# Altium PCB Light_Board.PcbDoc (part 1 of 2)
Units mm, origin at the board's own origin, x right, y up, seen from the top; angles counter-clockwise.
Board outline 260 x 260 mm, 2 copper layers (Top Layer, Bottom Side); 167 components, 149 nets, 370 pads, 0 vias.
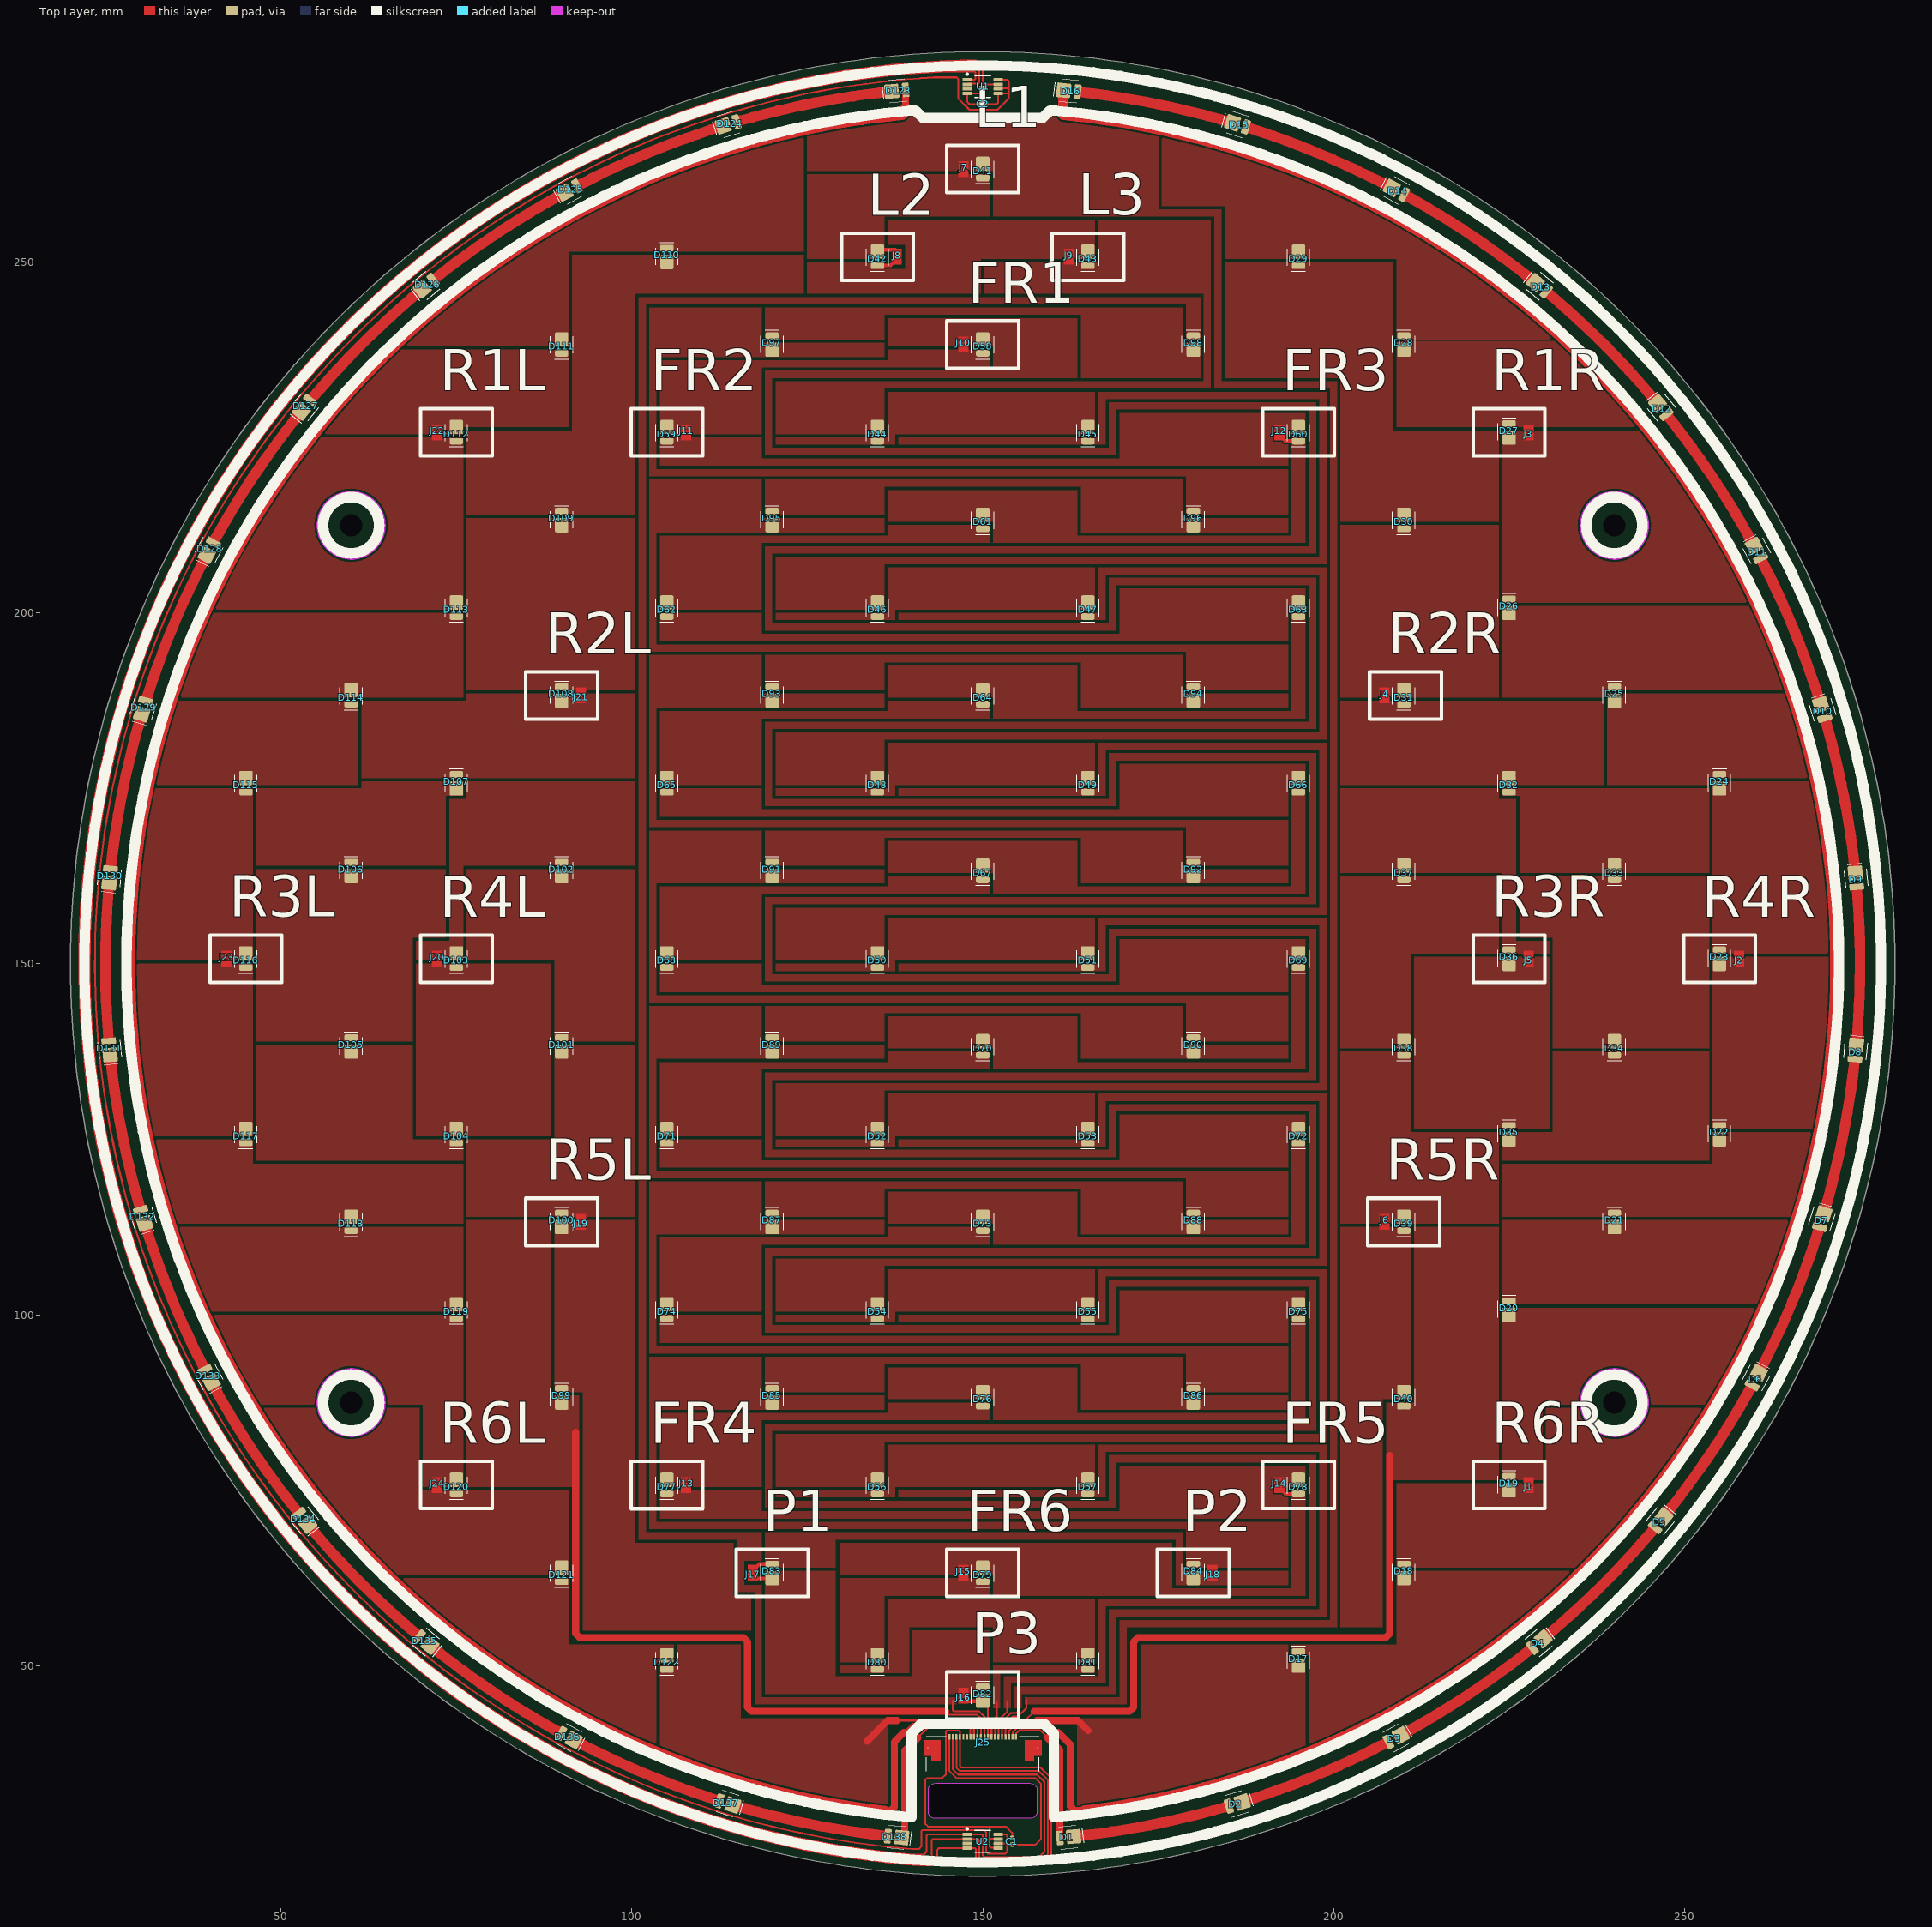
[diagram p0: Top Layer view]
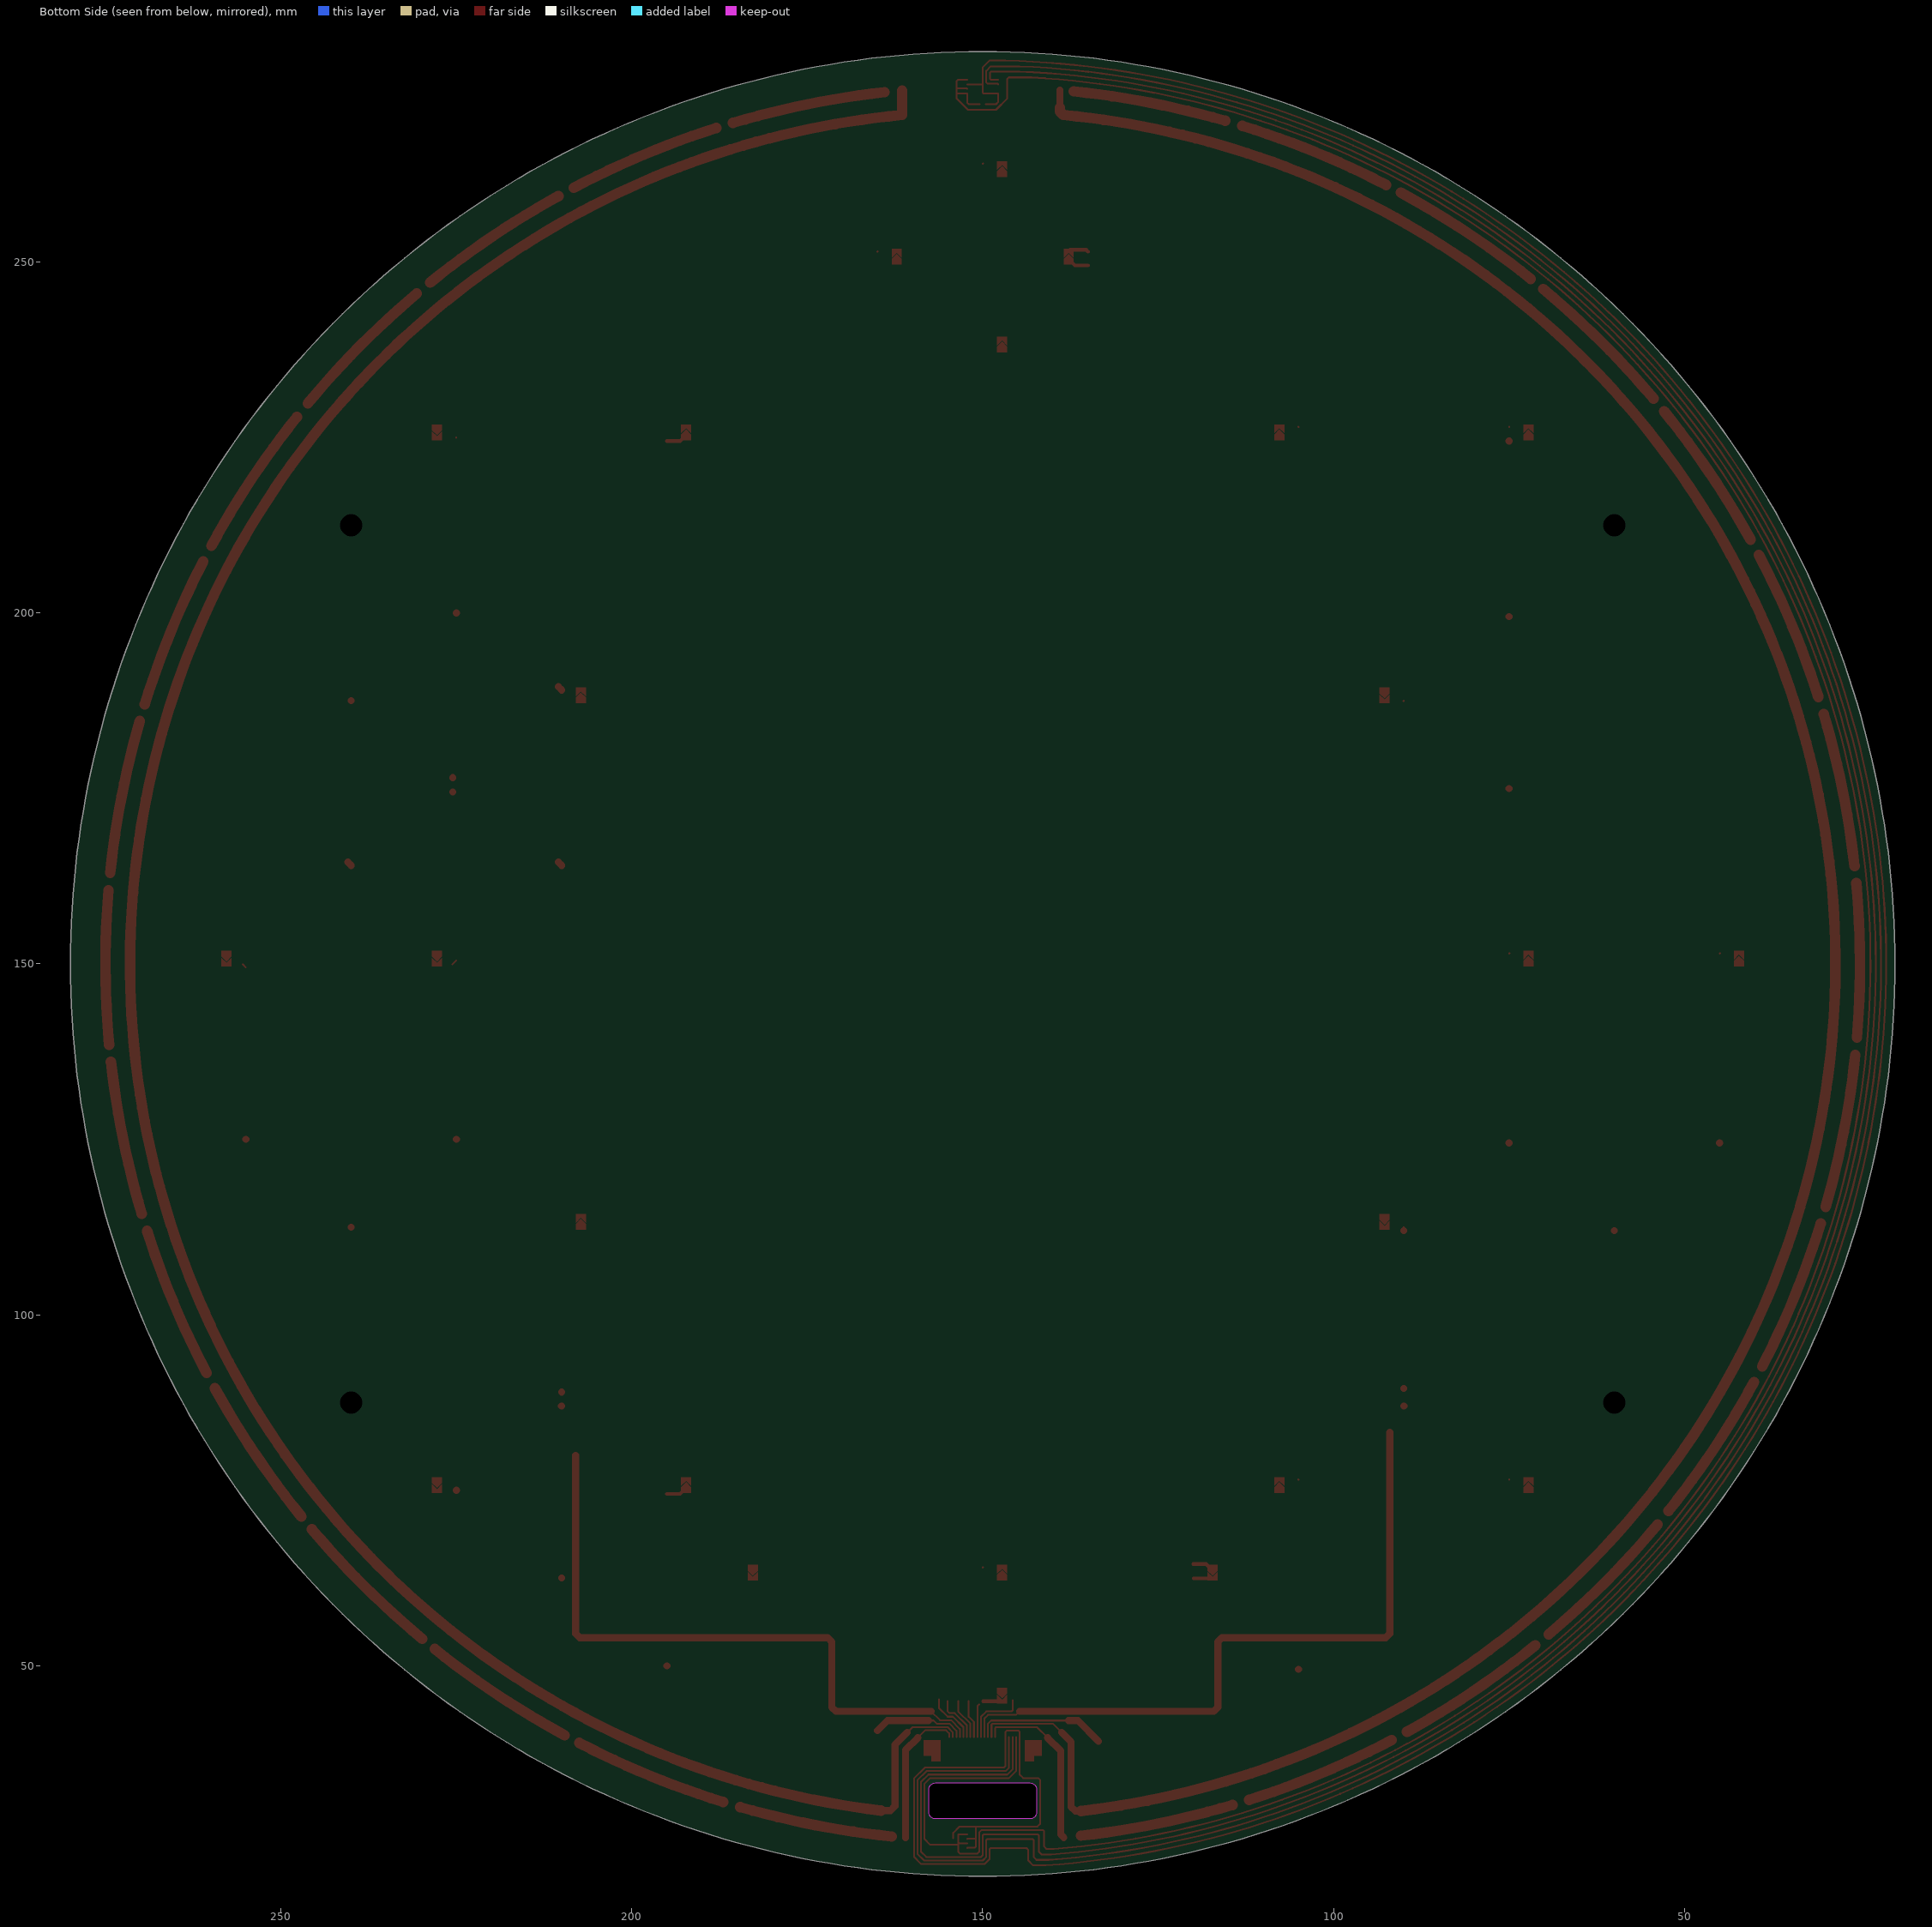
[diagram p1: Bottom Side view, seen from below]
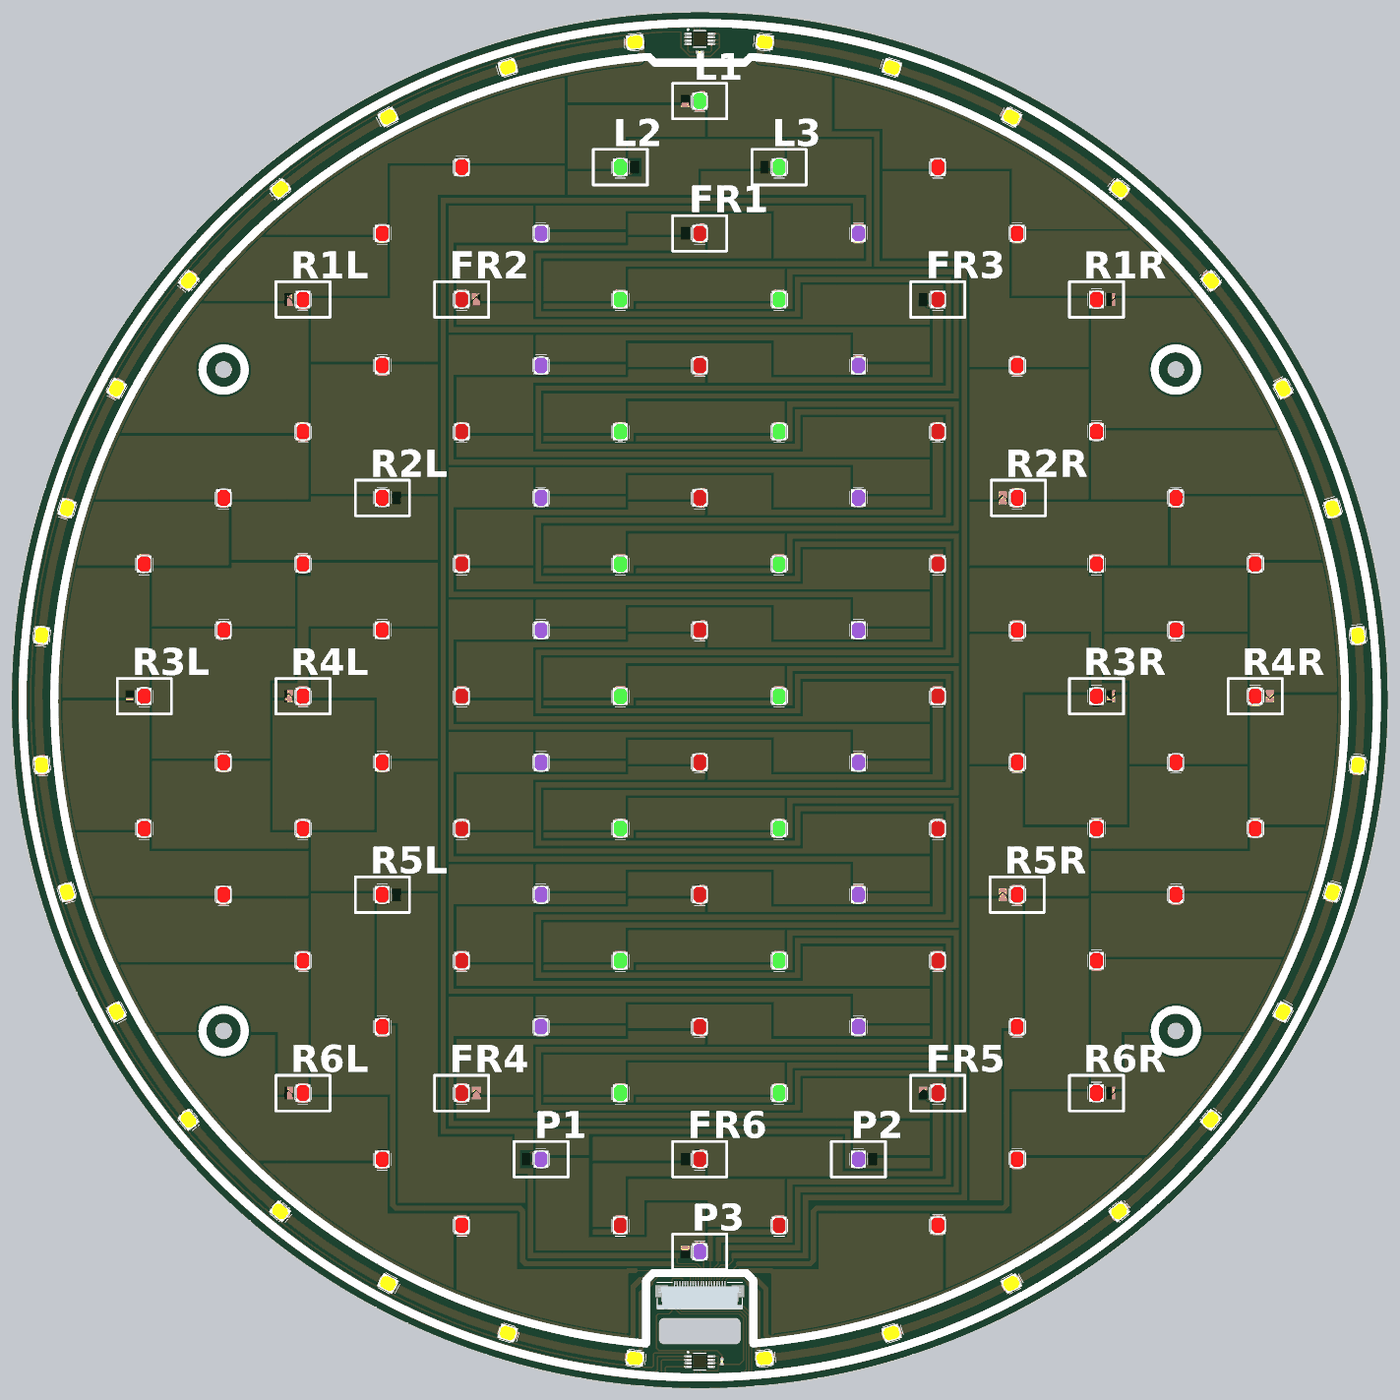
[diagram p3: 3D render of the assembled board from above, using the file's embedded part models]

## Layer stack, top to bottom
Top Solder: solder mask 0.0102, Solder Resist, Dk 3.5
Top Layer: signal copper 0.0356
Dielectric 1: dielectric 0.32, FR-4, Dk 4.8
Bottom Side: signal copper (thickness not stored)
Board Layer Stack Bottom Solder: solder mask 1.6, SM-001, Dk 4

## Board outline
150,20 cw(c150,150) 20,150 cw(c150,150) 150,280 cw(c150,150) 280,150 cw(c150,150)
cut-out: 142.25,29.25 142.25,32.25 cw(c143.25,32.25) 143.25,33.25 156.75,33.25 cw(c156.75,32.25) 157.75,32.25 157.75,29.25 cw(c156.75,29.25) 156.75,28.25 143.25,28.25 cw(c143.25,29.25)

## Design rules (kind name [scope] priority, off if disabled: settings)
Clearance [All] p1: gap=0.254 ignorepadtopadclearanceinfootprint=FALSE except(0.1: Arc-SMDPad Track-SMDPad SMDPad-SMDPad; 0.2: Arc-Arc Arc-Track Track-Track)
DiffPairsRouting [All] p1: maxlimit=0.254 minlimit=0.254 mostfreqgap=0.254 toplayer_minwidth=0.381 toplayer_maxwidth=0.381 toplayer_prefwidth=0.381 bottomlayer_minwidth=0.381 bottomlayer_maxwidth=0.381 bottomlayer_prefwidth=0.381 substack1={E1A92806-E6FE-484D-BA34-A2E804143039} toplayer_{e1a92806-e6fe-484d-ba34-a2e804143039}_minwidth=0.381 toplayer_{e1a92806-e6fe-484d-ba34-a2e804143039}_maxwidth=0.381 toplayer_{e1a92806-e6fe-484d-ba34-a2e804143039}_prefwidth=0.381 bottomlayer_{e1a92806-e6fe-484d-ba34-a2e804143039}_minwidth=0.381 bottomlayer_{e1a92806-e6fe-484d-ba34-a2e804143039}_maxwidth=0.381 bottomlayer_{e1a92806-e6fe-484d-ba34-a2e804143039}_prefwidth=0.381 maxuncoupledlength=12.7
HoleSize [All] p1: absolutevalues=TRUE maxlimit=5 minlimit=0.025 maxpercent=80.000 minpercent=20.000
PlaneClearance [All] p1: clearance=4
PolygonConnect [All] p1: connectstyle=Direct reliefconductorwidth=0.254 reliefentries=4 polygonreliefangle="90 Angle" airgapwidth=0.254
RoutingVias [All] p1: holewidth=0.711 width=1.27 viastyle="Through Hole" minholewidth=0.711 minwidth=1.27 maxholewidth=0.711 maxwidth=1.27
SilkToSolderMaskClearance [IsPad] p1: minsilkscreentomaskgap=0.1 clearancetoexposedcopper=TRUE
SolderMaskExpansion [All] p1: expansion=0.11 istentingtop=FALSE
SupplyNets "Schematic Supply Nets_1" [InNet('3.3V')] p1: voltage=0.000
SupplyNets "Schematic Supply Nets" [InNet('GND')] p2: voltage=0.000
Width [All] p1: maxlimit=0.254 minlimit=0.254 preferedwidth=0.254 substack1={E1A92806-E6FE-484D-BA34-A2E804143039} toplayer_{e1a92806-e6fe-484d-ba34-a2e804143039}_minwidth=0.2 toplayer_{e1a92806-e6fe-484d-ba34-a2e804143039}_maxwidth=2 toplayer_{e1a92806-e6fe-484d-ba34-a2e804143039}_prefwidth=1 bottomlayer_{e1a92806-e6fe-484d-ba34-a2e804143039}_minwidth=0.2 bottomlayer_{e1a92806-e6fe-484d-ba34-a2e804143039}_maxwidth=1 bottomlayer_{e1a92806-e6fe-484d-ba34-a2e804143039}_prefwidth=1
26 further rules are at their usual default settings.

## Components (designator, comment, footprint, x,y, rotation, side; value= is the part's Value field where it differs from the comment)
C1 "100nF Cap" "0402 Capacitor" 154.2,25 r270 top value=100nF
C2 "100nF Cap" "0402 Capacitor" 150,272.5 r0 top value=100nF
D1 "GW JTLPS1.EM-KLLL-XX56-1-150-R33" "GW JTLPS1" 162.252,25.602 r185.62 top
D2 "GW JTLPS1.EM-KLLL-XX56-1-150-R33" "GW JTLPS1" 186.286,30.382 r196.88 top
D3 "GW JTLPS1.EM-KLLL-XX56-1-150-R33" "GW JTLPS1" 208.925,39.76 r208.12 top
D4 "GW JTLPS1.EM-KLLL-XX56-1-150-R33" "GW JTLPS1" 229.299,53.374 r219.38 top
D5 "GW JTLPS1.EM-KLLL-XX56-1-150-R33" "GW JTLPS1" 246.626,70.701 r230.62 top
D6 "GW JTLPS1.EM-KLLL-XX56-1-150-R33" "GW JTLPS1" 260.24,91.075 r241.88 top
D7 "GW JTLPS1.EM-KLLL-XX56-1-150-R33" "GW JTLPS1" 269.618,113.714 r253.12 top
D8 "GW JTLPS1.EM-KLLL-XX56-1-150-R33" "GW JTLPS1" 274.398,137.748 r264.38 top
D9 "GW JTLPS1.EM-KLLL-XX56-1-150-R33" "GW JTLPS1" 274.398,162.252 r275.62 top
D10 "GW JTLPS1.EM-KLLL-XX56-1-150-R33" "GW JTLPS1" 269.618,186.286 r286.88 top
D11 "GW JTLPS1.EM-KLLL-XX56-1-150-R33" "GW JTLPS1" 260.24,208.925 r298.12 top
D12 "GW JTLPS1.EM-KLLL-XX56-1-150-R33" "GW JTLPS1" 246.626,229.299 r309.38 top
D13 "GW JTLPS1.EM-KLLL-XX56-1-150-R33" "GW JTLPS1" 229.299,246.626 r320.62 top
D14 "GW JTLPS1.EM-KLLL-XX56-1-150-R33" "GW JTLPS1" 208.925,260.24 r331.88 top
D15 "GW JTLPS1.EM-KLLL-XX56-1-150-R33" "GW JTLPS1" 186.286,269.618 r343.12 top
D16 "GW JTLPS1.EM-KLLL-XX56-1-150-R33" "GW JTLPS1" 162.252,274.398 r354.38 top
D17 "LUXEON SunPlus 2835 Red" "LUXEON SunPlus 2835 - Red" 195,50 r90 top
D18 "LUXEON SunPlus 2835 Red" "LUXEON SunPlus 2835 - Red" 210,62.5 r90 top
D19 "LUXEON SunPlus 2835 Red" "LUXEON SunPlus 2835 - Red" 225,75 r90 top
D20 "LUXEON SunPlus 2835 Red" "LUXEON SunPlus 2835 - Red" 225,100 r90 top
D21 "LUXEON SunPlus 2835 Red" "LUXEON SunPlus 2835 - Red" 240,112.5 r90 top
D22 "LUXEON SunPlus 2835 Red" "LUXEON SunPlus 2835 - Red" 255,125 r90 top
D23 "LUXEON SunPlus 2835 Red" "LUXEON SunPlus 2835 - Red" 255,150 r90 top
D24 "LUXEON SunPlus 2835 Red" "LUXEON SunPlus 2835 - Red" 255,175 r90 top
D25 "LUXEON SunPlus 2835 Red" "LUXEON SunPlus 2835 - Red" 240,187.5 r90 top
D26 "LUXEON SunPlus 2835 Red" "LUXEON SunPlus 2835 - Red" 225,200 r90 top
D27 "LUXEON SunPlus 2835 Red" "LUXEON SunPlus 2835 - Red" 225,225 r90 top
D28 "LUXEON SunPlus 2835 Red" "LUXEON SunPlus 2835 - Red" 210,237.5 r90 top
D29 "LUXEON SunPlus 2835 Red" "LUXEON SunPlus 2835 - Red" 195,251.5 r270 top
D30 "LUXEON SunPlus 2835 Red" "LUXEON SunPlus 2835 - Red" 210,214 r270 top
D31 "LUXEON SunPlus 2835 Red" "LUXEON SunPlus 2835 - Red" 210,189 r270 top
D32 "LUXEON SunPlus 2835 Red" "LUXEON SunPlus 2835 - Red" 225,176.5 r270 top
D33 "LUXEON SunPlus 2835 Red" "LUXEON SunPlus 2835 - Red" 240,164 r270 top
D34 "LUXEON SunPlus 2835 Red" "LUXEON SunPlus 2835 - Red" 240,139 r270 top
D35 "LUXEON SunPlus 2835 Red" "LUXEON SunPlus 2835 - Red" 225,125 r90 top
D36 "LUXEON SunPlus 2835 Red" "LUXEON SunPlus 2835 - Red" 225,150 r90 top
D37 "LUXEON SunPlus 2835 Red" "LUXEON SunPlus 2835 - Red" 210,164 r270 top
D38 "LUXEON SunPlus 2835 Red" "LUXEON SunPlus 2835 - Red" 210,139 r270 top
D39 "LUXEON SunPlus 2835 Red" "LUXEON SunPlus 2835 - Red" 210,114 r270 top
D40 "LUXEON SunPlus 2835 Red" "LUXEON SunPlus 2835 - Red" 210,89 r270 top
D41 "LUXEON SunPlus 2835 Lime" "LUXEON SunPlus 2835 - Lime" 150,264 r270 top
D42 "LUXEON SunPlus 2835 Lime" "LUXEON SunPlus 2835 - Lime" 135,251.5 r270 top
D43 "LUXEON SunPlus 2835 Lime" "LUXEON SunPlus 2835 - Lime" 165,251.5 r270 top